# KiCad board 1999_Dodge_Dakota.kicad_pcb (continued)
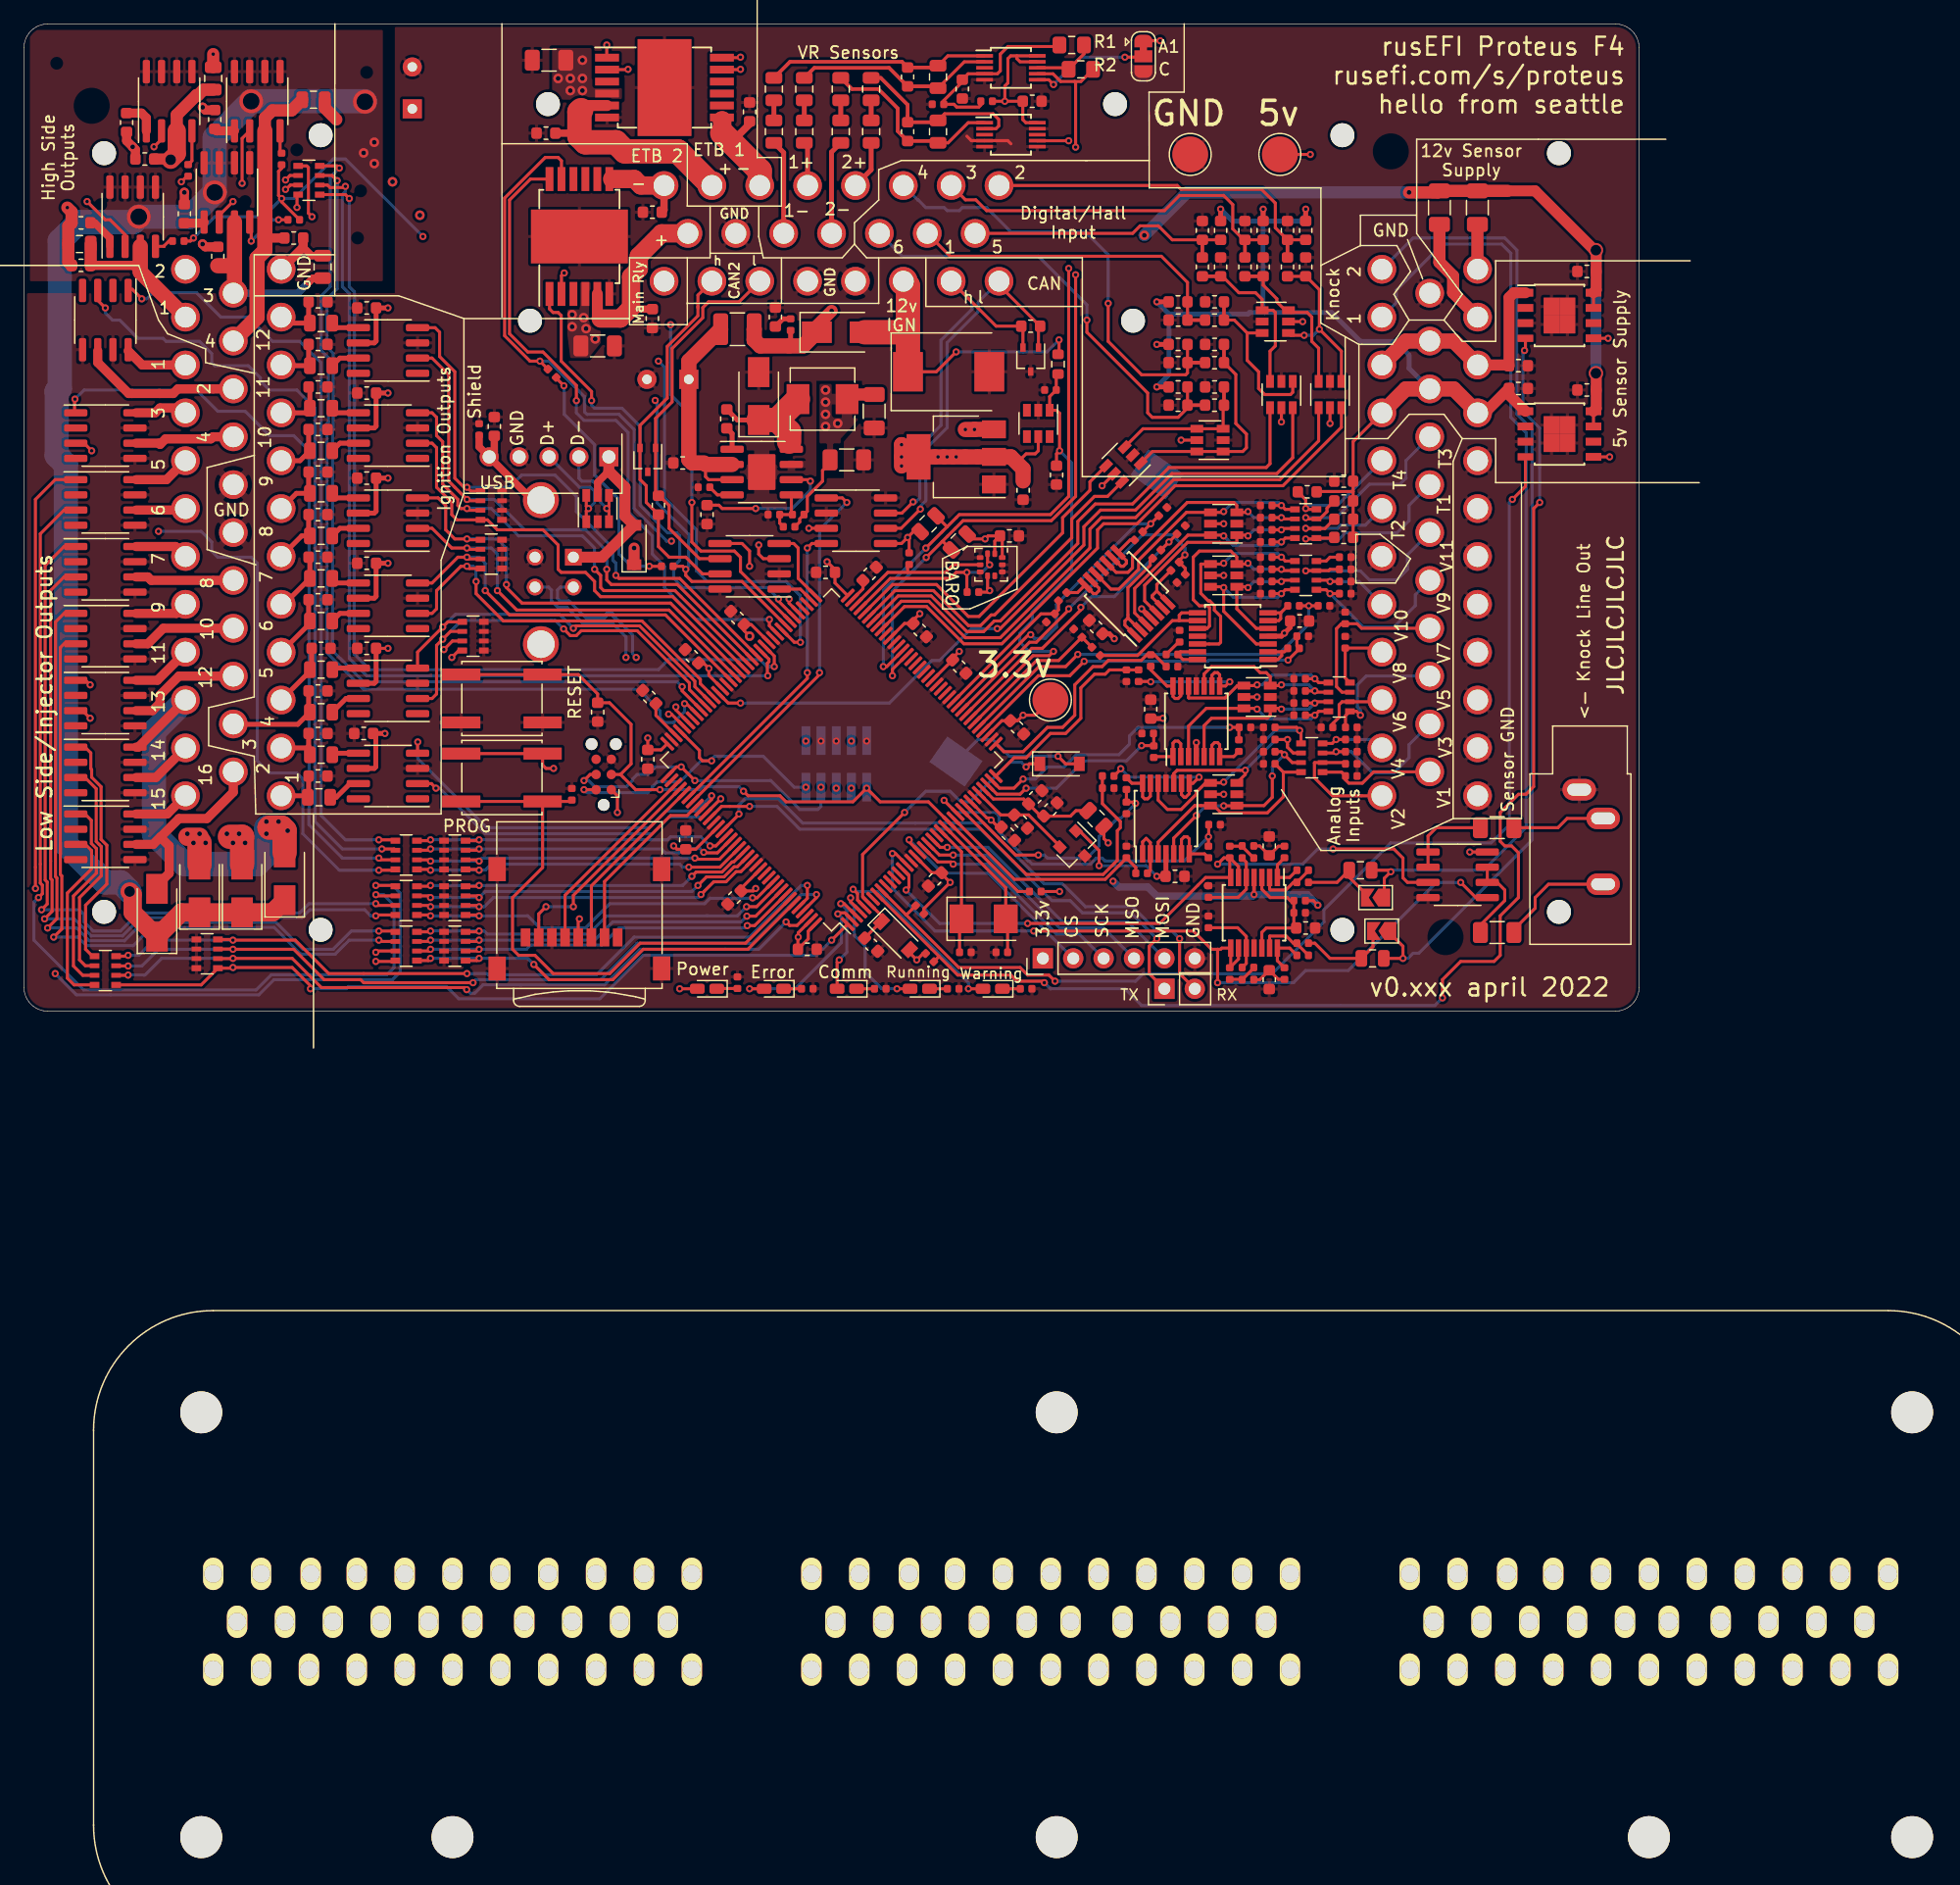
[diagram p0: board, top side]
## Placement (name value [footprint] x y rotation side) (continued)
U904  TJA1051T-3  [SOIC-8_3.9x4.9mm_P1.27mm]  69.54 40.99 0 top
U1004  TLS115  [Infineon_PG-DSO-8-43]  128.34 48.23 0 top
U1005  TLS115  [Infineon_PG-DSO-8-43]  128.34 58.13 0 top
U1101  MCP6004  [TSSOP-14_4.4x5mm_P0.65mm#2]  92.15 34.89 135 top
U1102  BTS4175SGA  [SOIC-8_3.9x4.9mm_P1.27mm]  9.09 66.39 90 top
U1103  BTS4175SGA  [SOIC-8_3.9x4.9mm_P1.27mm]  12.14 76.04 90 top
U1104  BTS4175SGA  [SOIC-8_3.9x4.9mm_P1.27mm]  16.96 68.42 90 top
U1105  BTS4175SGA  [SOIC-8_3.9x4.9mm_P1.27mm]  19.5 76.04 90 top
U1106  SRV05-4  [SOT-23-6]  104.59 57.62 0 top
U1107  SRV05-4  [SOT-23-6]  99.13 47.72 180 top
U1202  SN74LVC2G17DB  [SOT-23-6]  105.1 51.53 270 top
U1203  MAX9924  [MSOP-10_3x3mm_P0.5mm]  82.5 78.83 0 top
U1204  MAX9924  [MSOP-10_3x3mm_P0.5mm]  82.5 73.25 0 top
U1207  SN74LVC2G17DB  [SOT-23-6]  109.17 51.53 270 top
U1208  SN74LVC2G17DB  [SOT-23-6]  91.89 45.69 225 top
U1501  STM32F427ZGTx  [LQFP-144_20x20mm_P0.5mm]  67.5 21 135 top
U1502  USBLC6-2SC6  [SOT-23-6]  47.95 42 90 top
U1602  MIC4427  [SOIC-8_3.9x4.9mm_P1.27mm]  30.43 19.65 180 top
U1603  MIC4427  [SOIC-8_3.9x4.9mm_P1.27mm]  30.43 26.76 180 top
U1701  MIC4427  [SOIC-8_3.9x4.9mm_P1.27mm]  30.43 33.88 180 top
U1702  MIC4427  [SOIC-8_3.9x4.9mm_P1.27mm]  30.43 40.99 180 top
U1801  MIC4427  [SOIC-8_3.9x4.9mm_P1.27mm]  30.43 48.1 180 top
U1802  MIC4427  [SOIC-8_3.9x4.9mm_P1.27mm]  30.43 55.21 180 top
Y1501  8MHz  [Crystal_SMD_5032-2Pin_5.0x3.2mm]  80.21 7.71 0 top

## Library data of the parts
C1-C16 = -: LCSC: C1525; LCSC_ext: 0
C17 C1001 = -: LCSC: N/A; PN: EEH-AZF1H560B
C18 C19 C27 C906 C1004 C1201 = -: LCSC: C13585; LCSC_ext: 0
C20 C701 C801 C901 C904 C1101 C1211 C1409 C1501 C1503-C1505 C1508-C1511 C1513 C1516 C1517 C1520 C1604 C1607 C1701 C1704 C1801 C1804 = -: LCSC: C14663; LCSC_ext: 0
C21 C22 = -: LCSC: C1630; LCSC_ext: 0
C23 C24 C905 = -: LCSC: C13533; LCSC_ext: 0
C25 C26 = -: LCSC: C1567; LCSC_ext: 0
C28 C29 C902 C1202 C1203 C1301-C1304 C1605 C1606 C1608 C1609 C1702 C1703 C1705 C1706 C1802 C1803 C1805 C1806 C1903 = -: LCSC: C57112; LCSC_ext: 0
C30 C1506 C1507 C1512 C1515 = -: LCSC: C19666; LCSC_ext: 0; PN: CGA3E2X7R1H103M080AA
C903 C1006 C1502 = -: LCSC: C19666; LCSC_ext: 0
C1002 C1015-C1018 C1212 C1523 = -: LCSC: C15849; LCSC_ext: 0
C1204 C1205 C1207-C1210 C1401-C1408 = -: LCSC: C1588; LCSC_ext: 0
C1518 C1519 = -: LCSC: C23630; LCSC_ext: 0
C1521 C1522 = -: LCSC: C1562; LCSC_ext: 0
C1901 C1902 = -: LCSC: C53175; LCSC_ext: 0
D1 D2 = -: LCSC: C152727; LCSC_ext: 1
D3 D4 D1503 = -: LCSC: C8598; LCSC_ext: 0
D101-D104 D901 D903 = -: LCSC: C8678; LCSC_ext: 0
D1001 = -: LCSC: C151281; LCSC_ext: 1; possible_not_ext: 1
D1501 U1-U4 = -: LCSC: C85364; LCSC_ext: 0
D1502 D1506 = -: LCSC: C72043; LCSC_ext: 0
D1504 = -: LCSC: C2286; LCSC_ext: 0
D1505 = -: LCSC: C72041; LCSC_ext: 0
D1507 = -: LCSC: C72038; LCSC_ext: 0
F101 F102 = -: LCSC: C207035; LCSC_ext: 1; PN: 1206L012WR
FB1501 = -: LCSC: C1015; LCSC_ext: 0
J1 = -: LCSC: C164170; PN: 47219-2001
J2 J105 J107 J108 J1505 JP1 JP2 JP1201 U1203 U1204 = -: LCSC: N/A
J3 = -: LCSC: N/A; PN: SJ1-3533NG
J101 = -: LCSC: N/A; PN: 776228-1
J102 = -: LCSC: N/A; PN: 776231-1
J103 = -: LCSC: N/A; PN: 776231-2
J1501 = -: LCSC: N/A; PN: 5787834-1
J1502 = -: LCSC: N/A; PN: FTSH-105-01-F-DV-007-K
J1504 = -: LCSC: N/A; PN: UB-20PMFP-LC7002
L1001 = -: LCSC: C408412; LCSC_ext: 1; possible_not_ext: 1
L1002 = -: LCSC: C36828; LCSC_ext: 1; PN: SRN3015TA-2R2M; possible_not_ext: 1
R1-R4 R9-R12 R17-R20 R25-R28 = -: LCSC: C25908; LCSC_ext: 0
R5-R8 R13-R16 R21-R24 R29-R32 R48 R905 R1001 R1006 R1007 R1105 R1107 R1109 R1111 R1502 R1504 R1513 = -: LCSC: C25744; LCSC_ext: 0
R33 R1004 R1106 R1108 R1110 R1112 = -: LCSC: C22787; LCSC_ext: 0
R34-R37 R1205 R1206 R1208-R1211 R1213-R1216 = -: LCSC: C17673; LCSC_ext: 0
R38 R40 R46 R47 = -: LCSC: C25779; LCSC_ext: 0
R39 R41 R1217 R1218 = -: LCSC: C11702; LCSC_ext: 0
R42 R43 = -: LCSC: C25752; LCSC_ext: 0
R44 R45 R1501 = -: LCSC: C25741; LCSC_ext: 0
R701-R704 R801-R804 R901-R904 = -: LCSC: C25790; LCSC_ext: 0
R906 = -: LCSC: C25086; LCSC_ext: 0
R907 = -: LCSC: C25752
R908 = -: LCSC: C36871
R1101-R1104 R1201-R1204 R1401-R1408 = -: LCSC: C13167; LCSC_ext: 0
R1207 R1212 = -: PN: 603-RC0402FR-075KL
R1503 = -: LCSC: C23254; LCSC_ext: 0
R1508-R1512 = -: LCSC: C25104
R1601-R1604 R1701-R1704 R1801-R1804 = -: LCSC: C17408; LCSC_ext: 0
R1901 R1902 = -: LCSC: C25741
R1903 R1904 = -: LCSC: C25790
RN201 RN202 RN301 RN302 RN401 RN402 RN501 RN502 RN1601 RN1701 RN1801 = -: LCSC: C20197; LCSC_ext: 0
RN701 RN801 RN901 RN1301 = -: LCSC: C29718; LCSC_ext: 0; PN: CAT16-1002F4LF
RN1101 = -: LCSC: C29718; LCSC_ext: 0; PN: CAT16-473J4LF
SW1501 SW1502 = -: LCSC: C318887; LCSC_ext: 1
U5 U701 U801 U901 U1101 = -: LCSC: C50282; LCSC_ext: 1; PN: MCP6004T-I/ST; possible_not_ext: 1
U6 U904 = -: LCSC: C38695; LCSC_ext: 0
U7 = -: LCSC: C7377; LCSC_ext: 0
U8 = -: LCSC: C130016; LCSC_ext: 1; PN: REF3033
U9 = -: LCSC: C94049; LCSC_ext: 1
U10 U11 = -: LCSC: C112633; LCSC_ext: 1; possible_not_ext: 1
U201 U202 U301 U302 U401 U402 U501 U502 = -: LCSC: N/A; PN: VNLD5160TR-E
U902 = -: LCSC: C6186; LCSC_ext: 0
U903 = -: LCSC: C187824; LCSC_ext: 1; possible_not_ext: 0
U1004 U1005 = -: LCSC: N/A; PN: TLS115D0E
U1102-U1105 = -: LCSC: C152451; LCSC_ext: 1; PN: BTS4175; possible_not_ext: 1
U1202 U1207 U1208 = -: LCSC: C10429; LCSC_ext: 1; PN: 74HC2G17GW
U1501 = -: LCSC: C117816; PN: STM32F767ZIT6
U1502 = -: LCSC: C7519; LCSC_ext: 1; PN: USBLC6-2; possible_not_ext: 1
U1602 U1603 U1701 U1702 U1801 U1802 = -: LCSC: C20551; LCSC_ext: 1; PN: TC4427EOA; possible_not_ext: 1
Y1501 = -: LCSC: C115962; LCSC_ext: 0

## Footprints (pads in the part's own frame, mm; a bottom-side part is the same pattern mirrored in y, then rotated)
1999_Dodge_Connector_32x3cons
  round 4 hole 3.5 unplated: (-1,13.5) (-1,-22) (20,-22) (70.5,13.5) (70.5,-22) (120,-22) (142,13.5) (142,-22)
  oval 1.7x2.7 hole 1.5: c1-1(0,0) c1-2(4,0) c1-3(8.15,0) c1-4(12,0) c1-5(16,0) c1-6(20,0) c1-7(24,0) c1-8(28,0) c1-9(32,0) c1-10(36,0) c1-11(40,0) c1-12(2,-4) c1-13(6,-4) c1-14(10,-4) c1-15(14,-4) c1-16(18,-4) c1-17(21.658,-4) c1-18(26,-4) c1-19(30,-4) c1-20(34,-4) c1-21(38,-4) c1-22(0,-8) c1-23(4,-8) c1-24(8,-8) c1-25(12,-8) c1-26(16,-8) c1-27(20,-8) c1-28(24,-8) c1-29(28,-8) c1-30(32,-8) c1-31(36,-8) c1-32(40,-8) c2-1(50,0) c2-2(54,0) c2-3(58.15,0) c2-4(62,0) c2-5(66,0) c2-6(70,0) c2-7(74,0) c2-8(78,0) c2-9(82,0) c2-10(86,0) c2-11(90,0) c2-12(52,-4) c2-13(56,-4) c2-14(60,-4) c2-15(64,-4) c2-16(68,-4) c2-17(71.658,-4) c2-18(76,-4) c2-19(80,-4) c2-20(84,-4) c2-21(88,-4) c2-22(50,-8) c2-23(54,-8) c2-24(58,-8) c2-25(62,-8) c2-26(66,-8) c2-27(70,-8) c2-28(74,-8) c2-29(78,-8) c2-30(82,-8) c2-31(86,-8) c2-32(90,-8) c3-1(100,0) c3-2(104,0) c3-3(108.15,0) c3-4(112,0) c3-5(116,0) c3-6(120,0) c3-7(124,0) c3-8(128,0) c3-9(132,0) c3-10(136,0) c3-11(140,0) c3-12(102,-4) c3-13(106,-4) c3-14(110,-4) c3-15(114,-4) c3-16(118,-4) c3-17(121.658,-4) c3-18(126,-4) c3-19(130,-4) c3-20(134,-4) c3-21(138,-4) c3-22(100,-8) c3-23(104,-8) c3-24(108,-8) c3-25(112,-8) c3-26(116,-8) c3-27(120,-8) c3-28(124,-8) c3-29(128,-8) c3-30(132,-8) c3-31(136,-8) c3-32(140,-8)
ampseal-23
  round 2 hole 2 unplated: (-25.2,-7.3) (-23.7,10.8) (23.7,10.8) (25.2,-7.3)
  round 2.4 hole 1.75: 1(-14,4) 2(-10,4) 3(-6,4) 4(-2,4) 5(2,4) 6(6,4) 7(10,4) 8(14,4) 9(-12,0) 10(-8,0) 11(-4,0) 12(0,0) 13(4,0) 14(8,0) 15(12,0) 16(-14,-4) 17(-10,-4) 18(-6,-4) 19(-2,-4) 20(2,-4) 21(6,-4) 22(10,-4) 23(14,-4)
ampseal-35
  round 2 hole 2 unplated: (-33.2,-7.3) (-31.7,10.8) (31.7,10.8) (33.2,-7.3)
  round 2.4 hole 1.75: 1(-22,4) 2(-18,4) 3(-14,4) 4(-10,4) 5(-6,4) 6(-2,4) 7(2,4) 8(6,4) 9(10,4) 10(14,4) 11(18,4) 12(22,4) 13(-20,0) 14(-16,0) 15(-12,0) 16(-8,0) 17(-4,0) 18(0,0) 19(4,0) 20(8,0) 21(12,0) 22(16,0) 23(20,0) 24(-22,-4) 25(-18,-4) 26(-14,-4) 27(-10,-4) 28(-6,-4) 29(-2,-4) 30(2,-4) 31(6,-4) 32(10,-4) 33(14,-4) 34(18,-4) 35(22,-4)
ampseal-35-2
  round 2 hole 2 unplated: (-33.2,-7.3) (-31.7,10.8) (31.7,10.8) (33.2,-7.3)
  round 2.4 hole 1.75: 1(-22,4) 2(-18,4) 3(-14,4) 4(-10,4) 5(-6,4) 6(-2,4) 7(2,4) 8(6,4) 9(10,4) 10(14,4) 11(18,4) 12(22,4) 13(-20,0) 14(-16,0) 15(-12,0) 16(-8,0) 17(-4,0) 18(0,0) 19(4,0) 20(8,0) 21(12,0) 22(16,0) 23(20,0) 24(-22,-4) 25(-18,-4) 26(-14,-4) 27(-10,-4) 28(-6,-4) 29(-2,-4) 30(2,-4) 31(6,-4) 32(10,-4) 33(14,-4) 34(18,-4) 35(22,-4)
BatteryHolder_Keystone_1060_1x2032
  rect 2.6x3.6 smd: 1(-14.65,0) 2(14.65,0)
C_0402_1005Metric
  rrect 0.59x0.64 smd: 1(-0.485,0) 2(0.485,0)
C_0603_1608Metric
  rrect 0.875x0.95 smd: 1(-0.787,0) 2(0.787,0)
C_0805_2012Metric
  rrect 0.975x1.4 smd: 1(-0.938,0) 2(0.938,0)
C_1206_3216Metric
  rrect 1.25x1.75 smd: 1(-1.4,0) 2(1.4,0)
conn_5_2.5mm
  rect 1.6x1.6 hole 1.1: 1(-5,0)
  round 1.6 hole 1.1: 2(-2.5,0) 3(0,0) 4(2.5,0) 5(5,0)
CP_Radial_D8.0mm_P3.50mm
  rect 1.6x1.6 hole 0.8: 1(0,0)
  round 1.6 hole 0.8: 2(3.5,0)
Crystal_SMD_5032-2Pin_5.0x3.2mm
  rect 2x2.4 smd: 1(-1.85,0) 2(1.85,0)
D_SMA
  rect 2.5x1.8 smd: 1(-2,0) 2(2,0)
D_SMC
  rect 2.5x3.3 smd: 1(-3.4,0) 2(3.4,0)
D_SOD-123
  rect 0.9x1.2 smd: 1(-1.65,0) 2(1.65,0)
Infineon_PG-DSO-8-43
  rect 1.31x0.65 smd: 1(-2.845,1.905) 2(-2.845,0.635) 3(-2.845,-0.635) 5(2.845,-1.905) 6(2.845,-0.635) 7(2.845,0.635) 8(2.845,1.905)
  rect 1.31x0.6 smd: 4(-2.845,-1.905)
  rect 1.325x1.5 smd: 9(-0.662,0.75) 9(-0.662,-0.75) 9(0.662,0.75) 9(0.662,-0.75)
Infineon_PG-DSO-12-9
  rect 1.95x1.16 smd: (-1.125,2.92) (-1.125,1.46) (-1.125,0) (-1.125,-1.46) (-1.125,-2.92) (1.125,2.92) (1.125,1.46) (1.125,0) (1.125,-1.46) (1.125,-2.92)
  rect 2x0.65 smd: 1(-4.8,2.5) 2(-4.8,1.5) 3(-4.8,0.5) 4(-4.8,-0.5) 5(-4.8,-1.5) 6(-4.8,-2.5) 7(4.8,-2.5) 8(4.8,-1.5) 9(4.8,-0.5) 10(4.8,0.5) 11(4.8,1.5) 12(4.8,2.5)
  rect 4.5x8.1 smd: 13(0,0)
Jack_3.5mm_CUI_SJ1-3533NG_Horizontal
  oval 2.8x1.8 hole 2x1: R(2,-7.9) S(0,0) T(2,-2.4)
L_0805_2012Metric
  rrect 0.975x1.4 smd: 1(-0.938,0) 2(0.938,0)
L_1210_3225Metric
  rrect 1.25x2.65 smd: 1(-1.4,0) 2(1.4,0)
LED_0603_1608Metric_Castellated
  rrect 1.225x0.85 smd: 1(-0.812,0) 2(0.812,0)
LQFP-144_20x20mm_P0.5mm
  rrect 1.475x0.3 smd: 1(-10.662,8.75) 2(-10.662,8.25) 3(-10.663,7.75) 4(-10.662,7.25) 5(-10.662,6.75) 6(-10.662,6.25) 7(-10.662,5.75) 8(-10.662,5.25) 9(-10.662,4.75) 10(-10.662,4.25) 11(-10.662,3.75) 12(-10.662,3.25) 13(-10.662,2.75) 14(-10.662,2.25) 15(-10.662,1.75) 16(-10.663,1.25) 17(-10.662,0.75) 18(-10.662,0.25) 19(-10.662,-0.25) 20(-10.662,-0.75) 21(-10.663,-1.25) 22(-10.662,-1.75) 23(-10.662,-2.25) 24(-10.662,-2.75) 25(-10.662,-3.25) 26(-10.662,-3.75) 27(-10.662,-4.25) 28(-10.662,-4.75) 29(-10.662,-5.25) 30(-10.662,-5.75) 31(-10.662,-6.25) 32(-10.662,-6.75) 33(-10.662,-7.25) 34(-10.663,-7.75) 35(-10.662,-8.25) 36(-10.662,-8.75) 73(10.662,-8.75) 74(10.662,-8.25) 75(10.663,-7.75) 76(10.662,-7.25) 77(10.662,-6.75) 78(10.662,-6.25) 79(10.662,-5.75) 80(10.662,-5.25) 81(10.662,-4.75) 82(10.662,-4.25) 83(10.662,-3.75) 84(10.662,-3.25) 85(10.662,-2.75) 86(10.662,-2.25) 87(10.662,-1.75) 88(10.663,-1.25) 89(10.662,-0.75) 90(10.662,-0.25) 91(10.662,0.25) 92(10.662,0.75) 93(10.663,1.25) 94(10.662,1.75) 95(10.662,2.25) 96(10.662,2.75) 97(10.662,3.25) 98(10.662,3.75) 99(10.662,4.25) 100(10.662,4.75) 101(10.662,5.25) 102(10.662,5.75) 103(10.662,6.25) 104(10.662,6.75) 105(10.662,7.25) 106(10.663,7.75) 107(10.662,8.25) 108(10.662,8.75)
  rrect 0.3x1.475 smd: 37(-8.75,-10.662) 38(-8.25,-10.662) 39(-7.75,-10.663) 40(-7.25,-10.662) 41(-6.75,-10.662) 42(-6.25,-10.662) 43(-5.75,-10.662) 44(-5.25,-10.662) 45(-4.75,-10.662) 46(-4.25,-10.662) 47(-3.75,-10.662) 48(-3.25,-10.662) 49(-2.75,-10.662) 50(-2.25,-10.662) 51(-1.75,-10.662) 52(-1.25,-10.663) 53(-0.75,-10.662) 54(-0.25,-10.662) 55(0.25,-10.662) 56(0.75,-10.662) 57(1.25,-10.663) 58(1.75,-10.662) 59(2.25,-10.662) 60(2.75,-10.662) 61(3.25,-10.662) 62(3.75,-10.662) 63(4.25,-10.662) 64(4.75,-10.662) 65(5.25,-10.662) 66(5.75,-10.662) 67(6.25,-10.662) 68(6.75,-10.662) 69(7.25,-10.662) 70(7.75,-10.663) 71(8.25,-10.662) 72(8.75,-10.662) 109(8.75,10.662) 110(8.25,10.662) 111(7.75,10.663) 112(7.25,10.662) 113(6.75,10.662) 114(6.25,10.662) 115(5.75,10.662) 116(5.25,10.662) 117(4.75,10.662) 118(4.25,10.662) 119(3.75,10.662) 120(3.25,10.662) 121(2.75,10.662) 122(2.25,10.662) 123(1.75,10.662) 124(1.25,10.663) 125(0.75,10.662) 126(0.25,10.662) 127(-0.25,10.662) 128(-0.75,10.662) 129(-1.25,10.663) 130(-1.75,10.662) 131(-2.25,10.662) 132(-2.75,10.662) 133(-3.25,10.662) 134(-3.75,10.662) 135(-4.25,10.662) 136(-4.75,10.662) 137(-5.25,10.662) 138(-5.75,10.662) 139(-6.25,10.662) 140(-6.75,10.662) 141(-7.25,10.662) 142(-7.75,10.663) 143(-8.25,10.662) 144(-8.75,10.662)
microSD_HC_Wuerth_693072010801
  rect 0.8x1.5 smd: 1(-3.2,1.55) 2(-2.1,1.55) 3(-1,1.55) 4(0.1,1.55) 5(1.2,1.55) 6(2.3,1.55) 7(3.4,1.55) 8(4.5,1.55)
  rect 1.45x2 smd: 9(-6.875,4.15) 9(-6.875,-4.15) 9(6.875,4.15) 9(6.875,-4.15)
MSOP-10_3x3mm_P0.5mm
  rect 1.4x0.3 smd: 1(-2.2,1) 2(-2.2,0.5) 3(-2.2,0) 4(-2.2,-0.5) 5(-2.2,-1) 6(2.2,-1) 7(2.2,-0.5) 8(2.2,0) 9(2.2,0.5) 10(2.2,1)
MWSA0503
  rect 1.9x2.5 smd: 1(2.05,0) 2(-2.05,0)
PinHeader_1x02_P2.54mm_Vertical
  rect 1.7x1.7 hole 1: 1(0,0)
  oval 1.7x1.7 hole 1: 2(0,-2.54)
PinHeader_1x06_P2.54mm_Vertical
  rect 1.7x1.7 hole 1: 1(0,0)
  oval 1.7x1.7 hole 1: 2(0,-2.54) 3(0,-5.08) 4(0,-7.62) 5(0,-10.16) 6(0,-12.7)
PinHeader_2x05_P1.27mm_Vertical_SMD
  rect 2.4x0.74 smd: 1(-1.95,2.54) 2(1.95,2.54) 3(-1.95,1.27) 4(1.95,1.27) 5(-1.95,0) 6(1.95,0) 7(-1.95,-1.27) 8(1.95,-1.27) 9(-1.95,-2.54) 10(1.95,-2.54)
R_0402_1005Metric
  rrect 0.59x0.64 smd: 1(-0.485,0) 2(0.485,0)
R_0603_1608Metric
  rrect 0.875x0.95 smd: 1(-0.787,0) 2(0.787,0)
R_0603_1608Metric#2
  rrect 0.8x0.95 smd: 1(-0.825,0) 2(0.825,0)
R_0805_2012Metric
  rrect 0.975x1.4 smd: 1(-0.938,0) 2(0.938,0)
R_0805_2012Metric_Pad1.15x1.40mm_HandSolder
  rrect 1.15x1.4 smd: 1(-1.025,0) 2(1.025,0)
R_1206_3216Metric
  rrect 1.25x1.75 smd: 1(-1.4,0) 2(1.4,0)
R_Array_Convex_4x0603
  rect 0.8x0.5 smd: 1(-0.9,1.2) 4(-0.9,-1.2) 5(0.9,-1.2) 8(0.9,1.2)
  rect 0.8x0.4 smd: 2(-0.9,0.4) 3(-0.9,-0.4) 6(0.9,-0.4) 7(0.9,0.4)
SOIC-8-1EP_3.9x4.9mm_P1.27mm_EP2.29x3mm
  rrect 0.92x1.21 smd: (-0.57,0.75) (-0.57,-0.75) (0.57,0.75) (0.57,-0.75)
  rrect 1.95x0.6 smd: 1(-2.475,1.905) 2(-2.475,0.635) 3(-2.475,-0.635) 4(-2.475,-1.905) 5(2.475,-1.905) 6(2.475,-0.635) 7(2.475,0.635) 8(2.475,1.905)
  rrect 2.3x3 smd: 9(0,0)
SOIC-8_3.9x4.9mm_P1.27mm
  rrect 1.95x0.6 smd: 1(-2.475,1.905) 2(-2.475,0.635) 3(-2.475,-0.635) 4(-2.475,-1.905) 5(2.475,-1.905) 6(2.475,-0.635) 7(2.475,0.635) 8(2.475,1.905)
SolderJumper-2_P1.3mm_Open_TrianglePad1.0x1.5mm
  custom 1.5x1.5 smd: 1(-0.725,0)
  custom 1.15x1.5 smd: 2(0.725,0)
SolderJumper-3_P1.3mm_Bridged12_RoundedPad1.0x1.5mm
  custom 1.05x1.5 smd: 1(-1.3,0) 3(1.3,0)
  rect 1x1.5 smd: 2(0,0)
SOT-23
  rect 0.9x0.8 smd: 1(-1,0.95) 2(-1,-0.95) 3(1,0)
SOT-23-6
  rect 1.06x0.65 smd: 1(-1.1,0.95) 2(-1.1,0) 3(-1.1,-0.95) 4(1.1,-0.95) 5(1.1,0) 6(1.1,0.95)
SOT-223-3_TabPin2
  rect 2x1.5 smd: 1(-3.15,2.3) 2(-3.15,0) 3(-3.15,-2.3)
  rect 2x3.8 smd: 2(3.15,0)
SOT-323_SC-70
  rect 0.7x0.45 smd: 1(-1,0.65) 2(-1,-0.65) 3(1,0)
ST_HLGA-10_2.5x2.5mm_P0.6mm_LayoutBorder3x2y
  rrect 0.55x0.4 smd: 1(-0.925,0.3) 2(-0.925,-0.3) 6(0.925,-0.3) 7(0.925,0.3)
  rrect 0.4x0.55 smd: 3(-0.6,-0.925) 4(0,-0.925) 5(0.6,-0.925) 8(0.6,0.925) 9(0,0.925) 10(-0.6,0.925)
SW_SPST_EVQQ2
  rect 3.2x1 smd: 1(-3.4,2) 1(3.4,2) 2(-3.4,-2) 2(3.4,-2)
Tag-Connect_TC2030-IDC-NL_2x03_P1.27mm_Vertical
  round 0.991 hole 0.991 unplated: (-2.54,0) (2.54,1.016) (2.54,-1.016)
  round 0.787 smd: 1(-1.27,-0.635) 2(-1.27,0.635) 3(0,-0.635) 4(0,0.635) 5(1.27,-0.635) 6(1.27,0.635)
TestPoint_Pad_D3.0mm
  round 3 smd: 1(0,0)
TSSOP-14_4.4x5mm_P0.65mm
  rect 1.45x0.45 smd: 1(-2.95,1.95) 2(-2.95,1.3) 3(-2.95,0.65) 4(-2.95,0) 5(-2.95,-0.65) 6(-2.95,-1.3) 7(-2.95,-1.95) 8(2.95,-1.95) 9(2.95,-1.3) 10(2.95,-0.65) 11(2.95,0) 12(2.95,0.65) 13(2.95,1.3) 14(2.95,1.95)
TSSOP-14_4.4x5mm_P0.65mm#2
  rect 1.45x0.45 smd: 1(-2.95,1.95) 2(-2.95,1.3) 3(-2.95,0.65) 4(-2.95,0) 5(-2.95,-0.65) 6(-2.95,-1.3) 7(-2.95,-1.95) 8(2.95,-1.95) 9(2.95,-1.3) 10(2.95,-0.65) 11(2.95,0) 12(2.95,0.65) 13(2.95,1.3) 14(2.95,1.95)
USB_B_TE_5787834_Vertical
  rect 1.4x1.4 hole 0.92: 1(0,0)
  round 1.4 hole 0.92: 2(-2.5,0) 3(-2.5,-3.2) 4(0,-3.2)
  round 3 hole 2.3: 5(-7.27,-2.71) 5(4.77,-2.71)

## Nets
+3.3V: C20.1 C903.1 C1503.2 C1504.2 C1505.2 C1506.2 C1507.2 C1508.2 C1509.2 C1510.2 C1511.2 C1512.2 C1513.2 C1515.2 D4.2 D1501.5 D1502.2 FB1501.1 J1.4 J4.1 J108.1 J1502.1 J1505.1 R39.1 R40.2 R41.1 R48.2 R1001.2 R1006.2 R1007.2 R1105.2 R1107.2 R1109.2 R1111.2 R1215.1 R1216.1 R1502.2 SW1502.2 U5.4 U6.5 U9.1 U9.6 U9.10 U10.2 U11.2 U902.2 U904.5 U1501.17 U1501.30 U1501.39 U1501.52 U1501.62 U1501.72 U1501.84 U1501.95 U1501.108 U1501.121 U1501.131 U1501.143 U1501.144
+5V: C701.1 C801.1 C901.1 C905.1 C906.1 C1004.1 C1101.1 C1211.1 C1604.2 C1607.2 C1701.2 C1704.2 C1801.2 C1804.2 D1503.1 J107.1 JP1201.1 L1001.2 R908.2 R1217.1 U1.5 U2.5 U3.5 U4.5 U6.3 U7.8 U8.1 U701.4 U801.4 U901.4 U902.3 U904.3 U1004.5 U1005.5 U1101.4 U1106.5 U1107.5 U1202.5 U1203.9 U1203.10 U1204.10 U1207.5 U1208.5 U1602.6 U1603.6 U1701.6 U1702.6 U1801.6 U1802.6
/5V_SENSOR_1: C1016.1 C1409.2 J103.9 J103.21 J103.32 R1101.1 R1102.1 R1103.1 R1104.1 R1201.1 R1203.1 R1401.1 R1403.1 R1405.1 R1407.1 U1004.1
/5V_SENSOR_2: C1018.1 J103.10 J103.22 J103.33 U1005.1
/12V_MR: C17.1 C27.2 C1201.2 D101.1 D102.1 D103.1 D104.1 J101.23 U10.4 U11.4 U1102.5 U1102.6 U1102.7 U1102.8 U1103.5 U1103.6 U1103.7 U1103.8 U1104.5 U1104.6 U1104.7 U1104.8 U1105.5 U1105.6 U1105.7 U1105.8
/12V_PROT: C1015.1 C1017.1 D903.1 F101.2 F102.1 L1002.1 R906.1 U1004.7 U1004.8 U1005.7 U1005.8
/12V_RAW: D903.2 D1001.1 J101.18 R1503.1
/AV1: J103.13 R701.1 RN701.1
/AV2: J103.24 R702.1 RN701.2
/AV3: J103.14 R703.1 RN701.3
/AV4: J103.25 R704.1 RN701.4
/AV5: J103.15 R801.1 RN801.1
/AV6: J103.26 R802.1 RN801.2
/AV7: J103.16 R803.1 RN801.3
/AV8: J103.27 R804.1 RN801.4
/AV9: J103.17 R901.1 RN901.1
/AV10: J103.28 R902.1 RN901.2
/AV11: J103.18 R903.1 RN901.3
/mcu/5V_SENSOR_1_PG: R1006.1 U1004.4 U1501.9
/mcu/5V_SENSOR_2_PG: R1007.1 U1005.4 U1501.8
/mcu/12V_DIVIDED: C1523.1 D1501.1 R1503.2 R1504.1 U1501.43
/mcu/AV1: R1.1 R5.2 U1501.26
/mcu/AV2: R2.1 R6.2 U1501.27
/mcu/AV3: R3.1 R7.2 U1501.28
/mcu/AV4: R4.1 R8.2 U1501.29
/mcu/AV5: R9.1 R13.2 U1501.34
/mcu/AV6: R10.1 R14.2 U1501.35
/mcu/AV7: R11.1 R15.2 U1501.36
/mcu/AV8: R12.1 R16.2 U1501.37
/mcu/AV9: R17.1 R21.2 U1501.40
/mcu/AV10: R18.1 R22.2 U1501.41
/mcu/AV11: R19.1 R23.2 U1501.42
/mcu/VDDA: C1501.1 C1502.1 FB1501.2 U1501.33
GND: BT1.2 C1.2 C2.2 C3.2 C4.2 C5.2 C6.2 C7.2 C8.2 C9.2 C10.2 C11.2 C12.2 C13.2 C14.2 C15.2 C16.2 C17.2 C20.2 C21.1 C22.1 C25.1 C26.1 C27.1 C28.1 C29.2 C30.2 C701.2 C801.2 C901.2 C902.2 C903.2 C906.2 C1001.2 C1002.2 C1004.2 C1006.2 C1015.2 C1016.2 C1017.2 C1018.2 C1101.2 C1201.1 C1202.1 C1203.2 C1204.2 C1205.2 C1207.2 C1208.2 C1211.2 C1212.2 C1301.2 C1302.2 C1303.2 C1304.2 C1401.2 C1402.2 C1403.2 C1404.2 C1405.2 C1406.2 C1407.2 C1408.2 C1409.1 C1501.2 C1502.2 C1503.1 C1504.1 C1505.1 C1506.1 C1507.1 C1508.1 C1509.1 C1510.1 C1511.1 C1512.1 C1513.1 C1515.1 C1516.2 C1517.1 C1518.2 C1519.2 C1520.2 C1521.2 C1522.2 C1523.2 C1604.1 C1605.2 C1606.2 C1607.1 C1608.2 C1609.2 C1701.1 C1702.2 C1703.2 C1704.1 C1705.2 C1706.2 C1801.1 C1802.2 C1803.2 C1804.1 C1805.2 C1806.2 C1903.1 D1.3 D2.3 D901.2 D1001.2 D1501.2 J1.6 J1.9 J3.S J4.5 J101.14 J101.19 J101.20 J102.17 J102.18 J102.24 J103.1 J103.2 J103.3 J103.4 J103.5 J103.6 J103.7 J103.8 J103.23 J103.29 J105.1 J1501.4 J1502.3 J1502.5 J1502.9 J1504.4 J1505.6 JP1201.3 R5.1 R6.1 R7.1 R8.1 R13.1 R14.1 R15.1 R16.1 R21.1 R22.1 R23.1 R24.1 R29.1 R30.1 R31.1 R32.1 R34.2 R35.2 R36.2 R37.2 R38.2 R701.2 R702.2 R703.2 R704.2 R801.2 R802.2 R803.2 R804.2 R901.2 R902.2 R903.2 R904.2 R905.2 R907.2 R1106.2 R1108.2 R1110.2 R1112.2 R1218.1 R1501.2 R1504.2 R1508.1 R1509.1 R1510.1 R1511.1 R1512.1 R1513.2 RN202.1 RN202.2 RN202.3 RN202.4 RN302.1 RN302.2 RN302.3 RN302.4 RN402.1 RN402.2 RN402.3 RN402.4 RN502.1 RN502.2 RN502.3 RN502.4 RN1601.1 RN1601.2 RN1601.3 RN1601.4 RN1701.1 RN1701.2 RN1701.3 RN1701.4 RN1801.1 RN1801.2 RN1801.3 RN1801.4 SW1501.2 U1.2 U2.2 U3.2 U4.2 U5.11 U6.2 U6.8 U7.4 U8.3 U9.3 U9.5 U9.8 U9.9 U10.6 U10.13 U11.6 U11.13 U201.5 U201.7 U202.5 U202.7 U301.5 U301.7 U302.5 U302.7 U401.5 U401.7 U402.5 U402.7 U501.5 U501.7 U502.5 U502.7 U701.11 U801.11 U901.11 U902.1 U903.7 U903.9 U904.2 U904.8 U1004.3 U1004.9 U1005.3 U1005.9 U1101.11 U1106.2 U1107.2 U1202.2 U1203.5 U1204.4 U1204.5 U1204.6 U1204.9 U1207.2 U1208.2 U1501.16 U1501.31 U1501.38 U1501.48 U1501.51 U1501.61 U1501.83 U1501.94 U1501.107 U1501.120 U1501.130 U1502.2 U1602.3 U1603.3 U1701.3 U1702.3 U1801.3 U1802.3
/AT1: J103.19 R1101.2 RN1101.1
/AT2: J103.30 R1102.2 RN1101.2
/AT3: J103.20 R1103.2 RN1101.3
/AT4: J103.31 R1104.2 RN1101.4
/CAN2+: D2.2 J101.22 R33.1 U6.7
/CAN2-: D2.1 J101.21 R33.2 U6.6
/CAN+: D1.2 J101.17 R1004.1 U904.7
/CAN-: D1.1 J101.16 R1004.2 U904.6
/DIGITAL_1: C1401.1 J101.10 R1401.2 R1402.2
/DIGITAL_2: C1403.1 J101.1 R1403.2 R1404.2
/DIGITAL_3: C1405.1 J101.2 R1405.2 R1406.2
/DIGITAL_4: C1407.1 J101.3 R1407.2 R1408.2
/DIGITAL_5: C1204.1 J101.9 R1201.2 R1202.2
/DIGITAL_6: C1207.1 J101.11 R1203.2 R1204.2
/ETB1+: C1202.2 J101.7 U10.5
/ETB1-: C1203.1 J101.6 U10.7
/ETB2+: C28.2 J101.15 U11.5
/ETB2-: C29.1 J101.8 U11.7
/etb-1/DIR: U10.1 U1501.79
/etb-1/DIS: R1001.1 U10.11 U1501.80
/etb-1/PWM: U10.12 U1501.81
/etb-2/DIR: U11.1 U1501.78
/etb-2/DIS: R48.1 U11.11 U1501.77
/etb-2/PWM: U11.12 U1501.82
/highside_quad/IN1: RN1301.4 U1501.101
/highside_quad/IN2: RN1301.3 U1501.100
/highside_quad/IN3: RN1301.2 U1501.86
/highside_quad/IN4: RN1301.1 U1501.85
/HS1: C1301.1 J102.2 R34.1 U1102.3
/HS2: C1302.1 J102.1 R35.1 U1103.3
/HS3: C1303.1 J102.13 R36.1 U1104.3
/HS4: C1304.1 J102.14 R37.1 U1105.3
/IGN1: C1605.1 J102.35 R1601.1
/ign1/IN1: RN1601.8 U1501.118 U1602.2
/ign1/IN2: RN1601.7 U1501.117 U1602.4
/ign1/IN3: RN1601.6 U1501.99 U1603.2
/ign1/IN4: RN1601.5 U1501.98 U1603.4
/IGN2: C1606.1 J102.34 R1602.1
/ign2/IN1: RN1701.8 U1501.97 U1701.2
/ign2/IN2: RN1701.7 U1501.93 U1701.4
/ign2/IN3: RN1701.6 U1501.92 U1702.2
/ign2/IN4: RN1701.5 U1501.91 U1702.4
/IGN3: C1608.1 J102.22 R1603.1
/ign3/IN1: RN1801.8 U1501.90 U1801.2
/ign3/IN2: RN1801.7 U1501.89 U1801.4
/ign3/IN3: RN1801.6 U1501.88 U1802.2
/ign3/IN4: RN1801.5 U1501.87 U1802.4
/IGN4: C1609.1 J102.33 R1604.1
/IGN5: C1702.1 J102.32 R1701.1
/IGN6: C1703.1 J102.31 R1702.1
/IGN7: C1705.1 J102.30 R1703.1
/IGN8: C1706.1 J102.29 R1704.1
/IGN9: C1802.1 J102.28 R1801.1
/IGN10: C1803.1 J102.27 R1802.1
/IGN11: C1805.1 J102.26 R1803.1
/IGN12: C1806.1 J102.25 R1804.1
/knock/FILTERED_1: C23.2 U5.6 U5.7 U7.3 U1501.14
/knock/FILTERED_2: C24.2 U5.8 U5.9 U7.5 U1501.15
/knock/V_mid: C1903.2 R38.1 R40.1 U5.3 U5.12
/KNOCK_1: C1901.2 J103.34 JP1.1
/KNOCK_2: C1902.2 J103.35 JP2.1
/lowside_quad1/IN1: RN201.4 RN202.8 U1501.123
/lowside_quad1/IN2: RN201.3 RN202.7 U1501.124
/lowside_quad1/IN3: RN201.2 RN202.6 U1501.125
/lowside_quad1/IN4: RN201.1 RN202.5 U1501.126
/lowside_quad2/IN1: RN301.4 RN302.8 U1501.127
/lowside_quad2/IN2: RN301.3 RN302.7 U1501.128
/lowside_quad2/IN3: RN301.2 RN302.6 U1501.129
/lowside_quad2/IN4: RN301.1 RN302.5 U1501.134
/lowside_quad3/IN1: RN401.4 RN402.8 U1501.135
/lowside_quad3/IN2: RN401.3 RN402.7 U1501.136
/lowside_quad3/IN3: RN401.2 RN402.6 U1501.137
/lowside_quad3/IN4: RN401.1 RN402.5 U1501.139
/lowside_quad4/IN1: RN501.4 RN502.8 U1501.140
/lowside_quad4/IN2: RN501.3 RN502.7 U1501.141
/lowside_quad4/IN3: RN501.2 RN502.6 U1501.142
/lowside_quad4/IN4: RN501.1 RN502.5 U1501.1
/LS1: J102.3 U201.8
/LS2: J102.15 U201.6
/LS3: J102.4 U202.8
/LS4: J102.16 U202.6
/LS5: J102.5 U301.8
/LS6: J102.6 U301.6
/LS7: J102.7 U302.8
/LS8: J102.19 U302.6
/LS9: J102.8 U401.8
/LS10: J102.20 U401.6
/LS11: J102.9 U402.8
/LS12: J102.21 U402.6
/LS13: D103.2 J102.10 U501.8
/LS14: D101.2 J102.11 U501.6
/LS15: D104.2 J102.12 U502.8
/LS16: D102.2 J102.23 U502.6
/mcu/AT1: R25.1 R29.2 U1501.44
/mcu/AT2: R26.1 R30.2 U1501.45
/mcu/AT3: R27.1 R31.2 U1501.46
/mcu/AT4: R28.1 R32.2 U1501.47
/mcu/AUX_SPI_CS: J1505.2 U1501.18
/mcu/AUX_SPI_MISO: J1505.4 U1501.20
/mcu/AUX_SPI_MOSI: J1505.5 U1501.21
/mcu/AUX_SPI_SCK: J1505.3 U1501.19
/mcu/BARO_SCL: R41.2 U9.2 U1501.69
/mcu/BARO_SDA: R39.2 U9.4 U1501.70
/mcu/BOOT0: R1513.1 SW1502.1 U1501.138
/mcu/CAN2_RX: U6.4 U1501.73
/mcu/CAN2_TX: U6.1 U1501.74
/mcu/CAN_RX: U904.4 U1501.114
/mcu/CAN_TX: U904.1 U1501.115
/mcu/DIGITAL1: U1202.6 U1501.96
/mcu/DIGITAL2: U1207.6 U1501.64
/mcu/DIGITAL3: U1207.4 U1501.65
/mcu/DIGITAL4: U1208.6 U1501.67
/mcu/DIGITAL5: U1202.4 U1501.66
/mcu/DIGITAL6: U1208.4 U1501.68
/mcu/LED1: D1504.2 U1501.2
/mcu/LED2: D1505.2 U1501.3
/mcu/LED3: D1506.2 U1501.4
/mcu/LED4: D1507.2 U1501.5
/mcu/nRESET: C1517.2 J4.3 J1502.10 R1502.1 SW1501.1 U1501.25
/mcu/SD_CS: J1.2 U1501.116
/mcu/SD_MISO: J1.7 U1501.112
/mcu/SD_MOSI: J1.3 U1501.113
/mcu/SD_SCK: J1.5 U1501.111
/mcu/SWCLK: J4.4 J1502.4 U1501.109
/mcu/SWDIO: J4.2 J1502.2 U1501.105
/mcu/UART_RX: J2.2 U1501.122
/mcu/UART_TX: J2.1 U1501.119
/mcu/VR_1: R1215.2 R1220.1 U1203.7 U1501.58
/mcu/VR_2: R1216.2 U1204.7 U1501.59
/quad_analog3/IN4: R904.1 RN901.4
/quad_analog3/OUT4: R20.1 R24.2
/USB_D+: J1501.3 J1504.3 U1501.104 U1502.1 U1502.6
/USB_D-: J1501.2 J1504.2 U1501.103 U1502.3 U1502.4
/USB_SHIELD: C1516.1 J1501.5 J1504.5 R1501.1
/VR1+: J101.5 R1205.2
/VR1-: J101.13 R1208.2
/VR2+: J101.4 R1210.2
/VR2-: J101.12 R1213.2
Net-(BT1-Pad1): BT1.1 D3.2
Net-(C1-Pad1): C1.1 RN701.8 U1.6 U701.3
Net-(C2-Pad1): C2.1 RN701.7 U1.1 U701.5
Net-(C3-Pad1): C3.1 RN701.6 U1.3 U701.10
Net-(C4-Pad1): C4.1 RN701.5 U1.4 U701.12
Net-(C5-Pad1): C5.1 RN801.8 U2.6 U801.3
Net-(C6-Pad1): C6.1 RN801.7 U2.1 U801.5
Net-(C7-Pad1): C7.1 RN801.6 U2.3 U801.10
Net-(C8-Pad1): C8.1 RN801.5 U2.4 U801.12
Net-(C9-Pad1): C9.1 RN901.8 U3.6 U901.3
Net-(C10-Pad1): C10.1 RN901.7 U3.1 U901.5
Net-(C11-Pad1): C11.1 RN901.6 U3.3 U901.10
Net-(C12-Pad1): C12.1 RN901.5 U3.4 U901.12
Net-(C13-Pad1): C13.1 RN1101.8 U4.6 U1101.3
Net-(C14-Pad1): C14.1 RN1101.7 U4.1 U1101.5
Net-(C15-Pad1): C15.1 RN1101.6 U4.3 U1101.10
Net-(C16-Pad1): C16.1 RN1101.5 U4.4 U1101.12
Net-(C18-Pad1): C18.1 J3.R
Net-(C18-Pad2): C18.2 U7.6 U7.7
Net-(C19-Pad1): C19.1 J3.T
Net-(C19-Pad2): C19.2 U7.1 U7.2
Net-(C21-Pad2): C21.2 R42.1 R44.2
Net-(C22-Pad2): C22.2 R43.1 R45.2
Net-(C23-Pad1): C23.1 R44.1 R46.2
Net-(C24-Pad1): C24.1 R45.1 R47.2
Net-(C25-Pad2): C25.2 R46.1 U5.5
Net-(C26-Pad2): C26.2 R47.1 U5.10
Net-(C30-Pad1): C30.1 D3.1 D4.1 U1501.6
Net-(C902-Pad1): C902.1 U903.6
Net-(C904-Pad1): C904.1 U903.1
Net-(C904-Pad2): C904.2 D901.1 L1001.1 U903.8
Net-(C905-Pad2): C905.2 R907.1 R908.1 U903.5
Net-(C1001-Pad1): C1001.1 C1002.1 L1002.2 U903.2 U903.3
Net-(C1006-Pad1): C1006.1 R906.2
Net-(C1205-Pad1): C1205.1 R1202.1 U1106.1 U1202.3
Net-(C1208-Pad1): C1208.1 R1204.1 U1107.3 U1107.4 U1208.3
Net-(C1209-Pad1): C1209.1 R1206.1 R1207.2 U1203.2
Net-(C1209-Pad2): C1209.2 R1207.1 R1209.1 U1203.1
Net-(C1210-Pad1): C1210.1 R1211.1 R1212.2 U1204.2
Net-(C1210-Pad2): C1210.2 R1212.1 R1214.1 U1204.1
Net-(C1212-Pad1): C1212.1 R1217.2 R1218.2 R1219.2 U1203.4
Net-(C1402-Pad1): C1402.1 R1402.1 U1106.3 U1202.1
Net-(C1404-Pad1): C1404.1 R1404.1 U1106.4 U1207.1
Net-(C1406-Pad1): C1406.1 R1406.1 U1106.6 U1207.3
Net-(C1408-Pad1): C1408.1 R1408.1 U1107.1 U1107.6 U1208.1
Net-(C1518-Pad1): C1518.1 U1501.71
Net-(C1519-Pad1): C1519.1 U1501.106
Net-(C1520-Pad1): C1520.1 U8.2 U1501.32
Net-(C1521-Pad1): C1521.1 U1501.23 Y1501.1
Net-(C1522-Pad1): C1522.1 U1501.24 Y1501.2
Net-(C1901-Pad1): C1901.1 JP1.2 R1901.2
Net-(C1902-Pad1): C1902.1 JP2.2 R1902.2
Net-(D1502-Pad1): D1502.1 R1508.2
Net-(D1503-Pad2): D1503.2 J1501.1 J1504.1 U1502.5
Net-(D1504-Pad1): D1504.1 R1509.2
Net-(D1505-Pad1): D1505.1 R1510.2
Net-(D1506-Pad1): D1506.1 R1511.2
Net-(D1507-Pad1): D1507.1 R1512.2
Net-(F101-Pad1): F101.1 J103.11
Net-(F102-Pad2): F102.2 J103.12
Net-(J11-Padc1-1): J11.c1-1 J11.c1-2
Net-(J11-Padc1-3): J11.c1-3 J11.c1-4
Net-(J11-Padc1-5): J11.c1-5 J11.c1-6
Net-(J11-Padc1-7): J11.c1-7 J11.c1-8
Net-(J11-Padc1-10): J11.c1-9 J11.c1-10
Net-(J11-Padc1-11): J11.c1-11 J11.c1-12
Net-(J11-Padc1-13): J11.c1-13 J11.c1-14
Net-(J11-Padc1-15): J11.c1-15 J11.c1-16
Net-(J11-Padc1-17): J11.c1-17 J11.c1-18
Net-(J11-Padc1-19): J11.c1-19 J11.c1-20
Net-(J11-Padc1-21): J11.c1-21 J11.c1-22
Net-(J11-Padc1-23): J11.c1-23 J11.c1-24
Net-(J11-Padc1-25): J11.c1-25 J11.c1-26
Net-(J11-Padc1-27): J11.c1-27 J11.c1-28
Net-(J11-Padc1-29): J11.c1-29 J11.c1-30
Net-(J11-Padc1-31): J11.c1-31 J11.c1-32
Net-(J11-Padc2-1): J11.c2-1 J11.c2-2
Net-(J11-Padc2-3): J11.c2-3 J11.c2-4
Net-(J11-Padc2-5): J11.c2-5 J11.c2-6
Net-(J11-Padc2-7): J11.c2-7 J11.c2-8
Net-(J11-Padc2-10): J11.c2-9 J11.c2-10
Net-(J11-Padc2-11): J11.c2-11 J11.c2-12
Net-(J11-Padc2-13): J11.c2-13 J11.c2-14
Net-(J11-Padc2-15): J11.c2-15 J11.c2-16
Net-(J11-Padc2-17): J11.c2-17 J11.c2-18
Net-(J11-Padc2-19): J11.c2-19 J11.c2-20
Net-(J11-Padc2-21): J11.c2-21 J11.c2-22
Net-(J11-Padc2-23): J11.c2-23 J11.c2-24
Net-(J11-Padc2-25): J11.c2-25 J11.c2-26
Net-(J11-Padc2-27): J11.c2-27 J11.c2-28
Net-(J11-Padc2-29): J11.c2-29 J11.c2-30
Net-(J11-Padc2-31): J11.c2-31 J11.c2-32
Net-(J11-Padc3-1): J11.c3-1 J11.c3-2
Net-(J11-Padc3-3): J11.c3-3 J11.c3-4
Net-(J11-Padc3-5): J11.c3-5 J11.c3-6
Net-(J11-Padc3-7): J11.c3-7 J11.c3-8
Net-(J11-Padc3-10): J11.c3-9 J11.c3-10
Net-(J11-Padc3-11): J11.c3-11 J11.c3-12
Net-(J11-Padc3-13): J11.c3-13 J11.c3-14
Net-(J11-Padc3-15): J11.c3-15 J11.c3-16
Net-(J11-Padc3-17): J11.c3-17 J11.c3-18
Net-(J11-Padc3-19): J11.c3-19 J11.c3-20
Net-(J11-Padc3-21): J11.c3-21 J11.c3-22
Net-(J11-Padc3-23): J11.c3-23 J11.c3-24
Net-(J11-Padc3-25): J11.c3-25 J11.c3-26
Net-(J11-Padc3-27): J11.c3-27 J11.c3-28
Net-(J11-Padc3-29): J11.c3-29 J11.c3-30
Net-(J11-Padc3-31): J11.c3-31 J11.c3-32
Net-(JP1201-Pad2): JP1201.2 U1203.6
Net-(R1-Pad2): R1.2 U701.1 U701.2
Net-(R2-Pad2): R2.2 U701.6 U701.7
Net-(R3-Pad2): R3.2 U701.8 U701.9
Net-(R4-Pad2): R4.2 U701.13 U701.14
Net-(R9-Pad2): R9.2 U801.1 U801.2
Net-(R10-Pad2): R10.2 U801.6 U801.7
Net-(R11-Pad2): R11.2 U801.8 U801.9
Net-(R12-Pad2): R12.2 U801.13 U801.14
Net-(R17-Pad2): R17.2 U901.1 U901.2
Net-(R18-Pad2): R18.2 U901.6 U901.7
Net-(R19-Pad2): R19.2 U901.8 U901.9
Net-(R20-Pad2): R20.2 U901.13 U901.14
Net-(R25-Pad2): R25.2 U1101.1 U1101.2
Net-(R26-Pad2): R26.2 U1101.6 U1101.7
Net-(R27-Pad2): R27.2 U1101.8 U1101.9
Net-(R28-Pad2): R28.2 U1101.13 U1101.14
Net-(R905-Pad1): R905.1 U903.4
Net-(R1105-Pad1): R1105.1 U1102.4
Net-(R1106-Pad1): R1106.1 U1102.1
Net-(R1107-Pad1): R1107.1 U1103.4
Net-(R1108-Pad1): R1108.1 U1103.1
Net-(R1109-Pad1): R1109.1 U1104.4
Net-(R1110-Pad1): R1110.1 U1104.1
Net-(R1111-Pad1): R1111.1 U1105.4
Net-(R1112-Pad1): R1112.1 U1105.1
Net-(R1205-Pad1): R1205.1 R1206.2
Net-(R1208-Pad1): R1208.1 R1209.2
Net-(R1210-Pad1): R1210.1 R1211.2
Net-(R1213-Pad1): R1213.1 R1214.2
Net-(R1219-Pad1): R1219.1 R1220.2 U1203.8
Net-(R1601-Pad2): R1601.2 U1602.7
Net-(R1602-Pad2): R1602.2 U1602.5
Net-(R1603-Pad2): R1603.2 U1603.7
Net-(R1604-Pad2): R1604.2 U1603.5
Net-(R1701-Pad2): R1701.2 U1701.7
Net-(R1702-Pad2): R1702.2 U1701.5
Net-(R1703-Pad2): R1703.2 U1702.7
Net-(R1704-Pad2): R1704.2 U1702.5
Net-(R1801-Pad2): R1801.2 U1801.7
Net-(R1802-Pad2): R1802.2 U1801.5
Net-(R1803-Pad2): R1803.2 U1802.7
Net-(R1804-Pad2): R1804.2 U1802.5
Net-(R1901-Pad1): R1901.1 R1903.2 U5.2
Net-(R1902-Pad1): R1902.1 R1904.2 U5.13
Net-(R1903-Pad1): R42.2 R1903.1 U5.1
Net-(R1904-Pad1): R43.2 R1904.1 U5.14
Net-(RN201-Pad5): RN201.5 U201.1
Net-(RN201-Pad6): RN201.6 U201.3
Net-(RN201-Pad7): RN201.7 U202.1
Net-(RN201-Pad8): RN201.8 U202.3
Net-(RN301-Pad5): RN301.5 U301.1
Net-(RN301-Pad6): RN301.6 U301.3
Net-(RN301-Pad7): RN301.7 U302.1
Net-(RN301-Pad8): RN301.8 U302.3
Net-(RN401-Pad5): RN401.5 U401.1
Net-(RN401-Pad6): RN401.6 U401.3
Net-(RN401-Pad7): RN401.7 U402.1
Net-(RN401-Pad8): RN401.8 U402.3
Net-(RN501-Pad5): RN501.5 U501.1
Net-(RN501-Pad6): RN501.6 U501.3
Net-(RN501-Pad7): RN501.7 U502.1
Net-(RN501-Pad8): RN501.8 U502.3
Net-(RN1301-Pad5): RN1301.5 U1102.2
